# KiCad board fairyboard.kicad_pcb (continued)
## Routing (per net, layer and track width the routed paths; a pad name or vN(x,y) marks a point on that pad's centre or on a via; arc(x,y) is an arc through that point) (continued)
ROW7: length 226.3
  Top w0.25: NOREF.12 183.54,70.87 arc(184.06,70.76) 184.51,70.47 190.29,64.68 arc(190.3,64.67) 190.3,64.66 arc(190.29,64.65) 190.29,64.63 195.41,44.11 arc(195.64,43.63) 196.03,43.27 205.22,37.75 arc(205.72,37.57) 206.25,37.6 v1(210.51,38.66)
  Bottom w0.25: 215.71,26.43 215.83,25.95 arc(215.86,25.42) 215.68,24.92 213.44,21.2 arc(213.09,20.81) 212.61,20.59 200.27,17.51 arc(199.79,17.28) 199.43,16.89 D40.1 ; 215.71,26.43 arc(215.7,26.75) 215.81,27.05 ; 215.71,26.43 arc(215.77,26.58) 215.92,26.59 ; v1(210.51,38.66) 213.15,37.07 arc(213.54,36.71) 213.77,36.23 215.9,27.68 arc(215.91,27.36) 215.81,27.05 ; D23.1 287.06,58.81 arc(287.09,58.28) 286.91,57.78 286.43,57 arc(286.08,56.6) 285.6,56.38 274.24,53.55 arc(273.71,53.52) 273.21,53.7 270.84,55.12 arc(270.45,55.48) 270.23,55.96 268.53,62.77 arc(268.3,63.25) 267.91,63.6 266.3,64.57 arc(266.05,64.79) 265.91,65.09 265.9,65.15 265.93,65.02 arc(265.95,64.62) 265.81,64.24 264.73,62.43 arc(264.37,62.03) 263.89,61.81 253.7,59.26 arc(253.17,59.24) 252.67,59.42 247.25,62.67 arc(246.95,62.95) 246.77,63.32 246.75,63.39 246.77,63.32 arc(246.79,62.9) 246.65,62.51 244.92,59.63 arc(244.57,59.24) 244.09,59.01 233.12,56.28 arc(232.64,56.05) 232.28,55.66 231.95,55.1 arc(231.77,54.6) 231.79,54.07 236.49,35.21 arc(236.52,34.68) 236.34,34.18 233.51,29.47 arc(233.15,29.08) 232.67,28.86 218.71,25.37 arc(218.18,25.35) 217.68,25.53 215.92,26.59 ; 215.92,26.59 arc(215.77,26.8) 215.81,27.05
RST: length 15.6
  Bottom w0.25: NOREF.2 139.55,93.73 arc(139.03,93.83) 138.58,94.13 RST1.2

## Copper pours and planes (outline as drawn; the poured copper is in the pictures)
GND on Top, Bottom: -10.8,-17.3 -10.04,160.99 317.11,161.04 317.66,-18.02

Small or netless copper shapes (teardrops, artwork), in the pictures only: 122 on Top, 496 on Bottom

## Text on the board
F.Silkscreen: DISPLAY | OFF | ON | HEY! / LISTEN! / PLACE MCU / WITH / COMPONENTS / FACE DOWN / TERMINAL / PINS USE / ELITE-PI / NAMING | v1.0 | fairyboard
